# Altium PCB IMX6 DEV BOARD.PcbDoc (part 7 of 12)
Units mm, origin at the board's own origin, x right, y up, seen from the top; angles counter-clockwise.
Board outline 72.05 x 100.23 mm, 8 copper layers (Top Layer, GND 1, Inner 2, PWR 1, PWR 2, Inner 5, GND2, Bottom Layer), stack 1.463 mm thick; 691 components, 568 nets, 3028 pads, 1624 vias.
Unrouted connection lines stored in the file: 1.
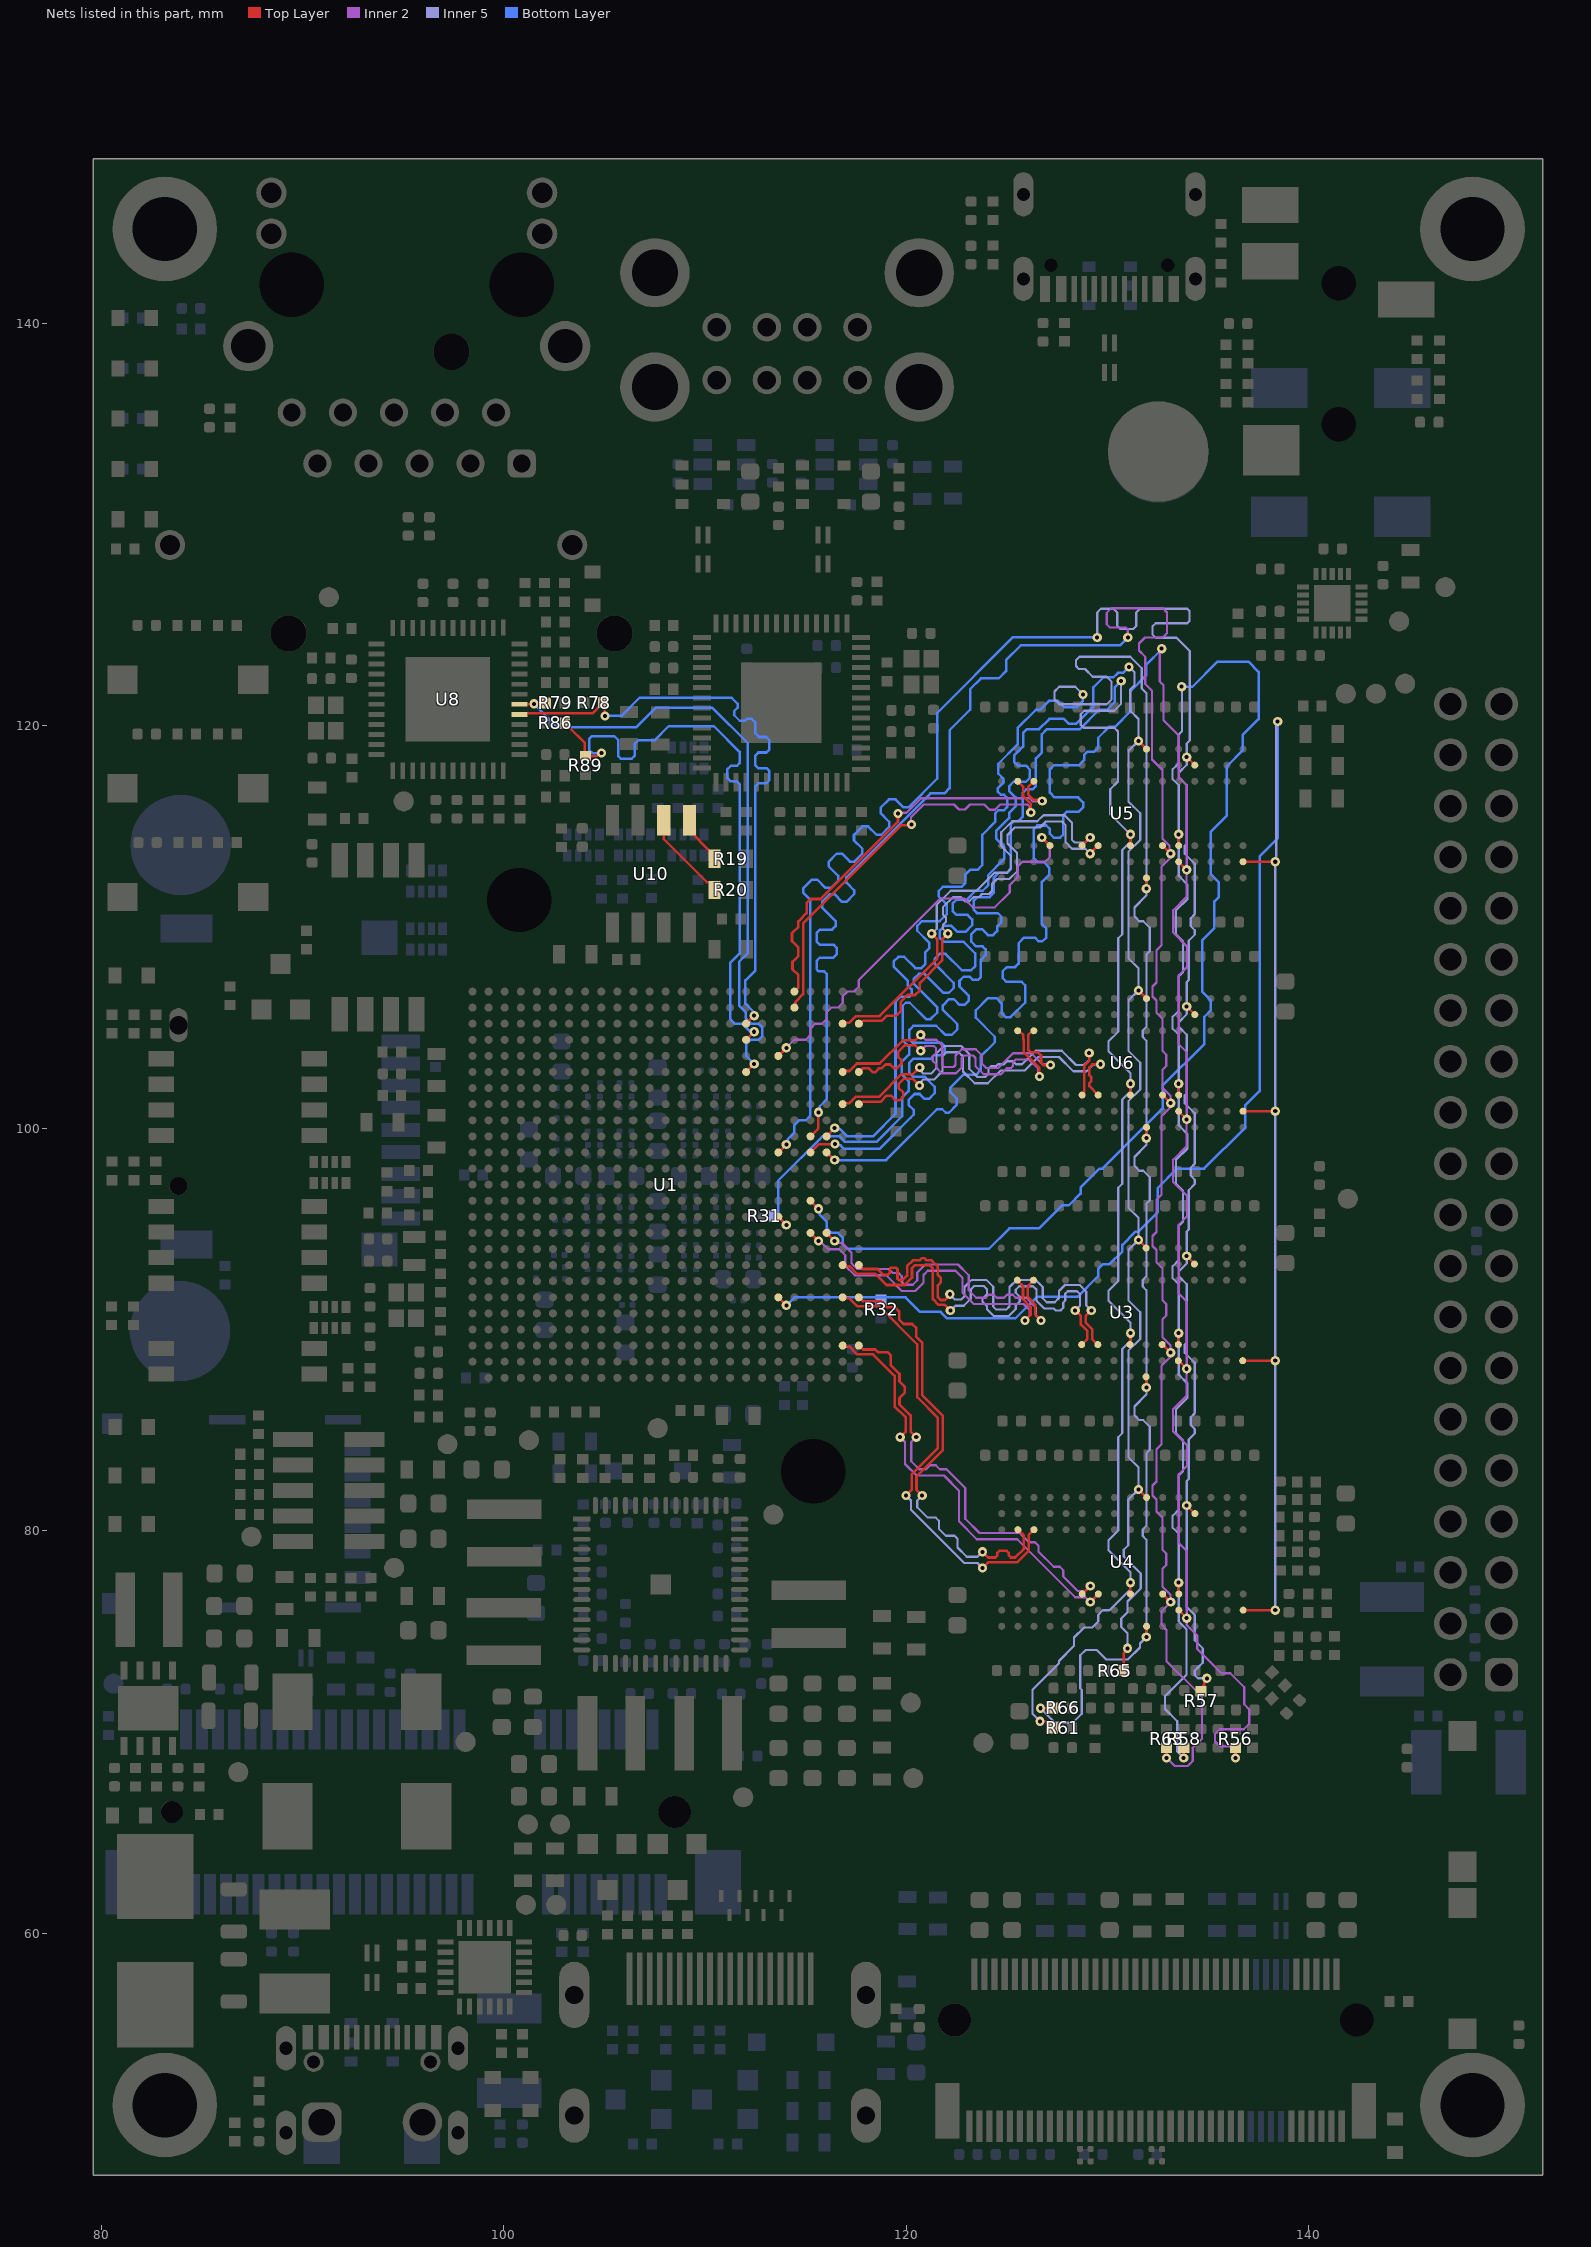
[diagram p13: the nets of this part, all layers, seen from the top]

## Via types
v1: diameter 0.46, hole 0.2, Top Layer to Bottom Layer, tented both sides, 1586 vias
v2: diameter 0.7, hole 0.4, Top Layer to Bottom Layer, 32 vias
v3: diameter 0.46, hole 0.2, Top Layer to Bottom Layer, tented bottom, 6 vias

## Nets (pads, with @x,y where several pads share a name; then routed paths per layer and width w, separated by ;. In a path a pad name is that pad's centre, name@x,y a point inside that pad or via, vN(x,y) a via of type N, cw(c..) or ccw(c..) an arc to the next point about the centre after c; other vN are vias at no path point) (continued)
DRAM_DQM7: U1.Y21 U5.D3 | length 20.9
  Top Layer w0.125: U1.Y21@113.644,103.6 v1(114.044,104) ; v1(126.744,114.45) U5.D3@127.144,114.05
  Inner 2 w0.11: v1(114.044,104) 114.441,104.398 114.816,104.398 114.821,104.403 115.009,104.403 115.241,104.635 115.241,104.786 115.246,104.791 115.246,104.964 115.483,105.201 115.808,105.201 116.045,105.439 116.045,105.763 116.282,106 116.606,106 116.843,106.237 116.843,106.561 117.08,106.798 117.404,106.798 117.646,107.04 117.646,107.378 121.694,111.425 122.869,111.425 123.312,110.982 124.403,110.982 125.141,111.72 125.141,111.722 125.146,111.728 125.146,112.095 125.546,112.495 125.546,113.015 125.779,113.247 126.901,113.247 127.134,113.481 127.134,114.061 v1@126.745,114.45
DRAM_DQS0_N: U1.AD3 U4.G3 | length 21.5
  Top Layer w0.13: U1.AD3@116.844,89.2 116.896,89.148 117.179,89.148 117.563,88.765 118.36,88.765 119.425,87.7 119.425,86.186 119.98,85.631 119.98,84.93 v1(119.7,84.65) ; v1(129.15,76.45) U4.G3@129.55,76.85
  Inner 2 w0.11: v1(119.7,84.65) 119.945,84.405 119.945,83.317 120.522,82.74 121.875,82.74 122.625,81.99 122.625,80.464 123.512,79.577 125.52,79.577 128.402,76.695 128.905,76.695 v1(129.15,76.45)
DRAM_DQS0_P: U1.AE3 U4.F3 | length 21.5
  Top Layer w0.13: U1.AE3@117.644,89.2 117.66,89.2 117.855,89.005 118.459,89.005 118.589,88.875 119.069,88.875 119.241,88.702 119.241,88.223 119.665,87.799 119.665,87.421 119.927,87.159 119.927,86.852 119.665,86.59 119.665,86.285 120.22,85.73 120.22,84.93 v1(120.5,84.65) ; U4.F3@128.75,76.85 v1(129.15,77.25)
  Inner 2 w0.11: v1(120.5,84.65) 120.255,84.405 120.255,83.445 120.65,83.05 120.988,83.05 121.188,83.25 121.475,83.25 121.675,83.05 122.003,83.05 122.935,82.118 122.935,80.592 123.641,79.887 125.648,79.887 126.109,79.426 126.399,79.426 126.575,79.25 126.575,78.96 127.331,78.204 127.634,78.204 127.81,78.029 127.81,77.725 128.53,77.005 128.905,77.005 v1(129.15,77.25)
DRAM_DQS1_N: U1.AE6 U4.B7 | length 22.6
  Top Layer w0.13: U1.AE6@117.644,91.6 117.66,91.6 117.855,91.405 118.737,91.405 119.026,91.116 119.44,91.116 119.65,90.906 119.65,90.492 119.867,90.275 120.3,90.275 120.505,90.07 120.505,89.637 120.79,89.352 120.79,86.735 121.818,85.707 121.818,84.004 120.514,82.7 120.514,82.03 v1(120.794,81.75) ; v1(123.794,78.95) 124.074,78.67 124.431,78.67 124.525,78.764 124.525,78.891 124.632,78.998 124.993,78.998 125.1,78.891 125.1,78.775 125.205,78.67 125.419,78.67 125.85,79.101 125.85,79.75 U4.B7@125.55,80.05
  Inner 5 w0.11: v1(120.794,81.75) 120.549,81.505 120.549,81.17 121.069,80.65 121.469,80.65 121.625,80.494 121.625,80.094 121.972,79.747 122.398,79.747 122.55,79.595 122.55,79.169 123.014,78.705 123.549,78.705 v1(123.794,78.95)
DRAM_DQS1_P: U1.AD6 U4.C7 | length 22.6
  Top Layer w0.13: U1.AD6@116.844,91.6 116.896,91.548 117.179,91.548 117.563,91.165 118.638,91.165 120.55,89.253 120.55,86.636 121.578,85.608 121.578,84.103 120.274,82.799 120.274,82.03 v1(119.994,81.75) ; v1(123.794,78.15) 124.074,78.43 125.518,78.43 126.09,79.002 126.09,79.79 U4.C7@126.35,80.05
  Inner 5 w0.11: v1(119.994,81.75) 120.239,81.505 120.239,81.042 122.886,78.395 123.549,78.395 v1(123.794,78.15)
DRAM_DQS2_N: U1.AE8 U3.G3 | length 22.8
  Top Layer w0.13: U1.AE8@117.644,93.2 117.66,93.2 117.855,93.005 118.57,93.005 118.846,92.729 119.099,92.729 119.175,92.805 119.175,92.999 119.251,93.075 119.499,93.075 119.568,93.006 119.568,92.53 119.644,92.454 119.829,92.454 120.05,92.675 120.05,93.15 120.34,93.44 120.665,93.44 120.775,93.55 120.9,93.55 121.01,93.44 121.26,93.44 121.569,93.131 121.569,92.706 121.725,92.55 121.725,92.35 121.569,92.194 121.569,91.614 121.717,91.466 121.917,91.466 122.169,91.718 v1(122.169,91.753) ; v1(129.2,90.95) 128.92,90.67 128.92,90.344 129.245,90.019 129.245,89.53 U3.G3@129.525,89.25
  Inner 5 w0.11: v1(122.169,91.753) 122.169,91.727 122.407,91.489 122.733,91.489 122.9,91.656 122.9,92.115 123.253,92.468 123.98,92.468 124.323,92.124 124.323,91.137 124.473,90.988 124.978,90.988 125.134,91.143 125.134,92.109 125.489,92.464 126.436,92.464 126.785,92.115 126.785,91.552 126.987,91.35 127.382,91.35 127.6,91.568 127.6,91.917 127.899,92.216 128.623,92.216 128.955,91.883 128.955,91.195 v1(129.2,90.95)
DRAM_DQS2_P: U1.AD8 U3.F3 | length 22.8
  Top Layer w0.13: U1.AD8@116.844,93.2 116.896,93.148 117.179,93.148 117.563,92.765 118.47,92.765 119.021,92.214 119.928,92.214 120.29,92.576 120.29,93.051 120.439,93.2 121.161,93.2 121.329,93.031 121.329,91.514 121.617,91.226 121.917,91.226 v1(122.194,90.95) ; v1(128.4,90.95) 128.68,90.67 128.68,90.245 129.005,89.92 129.005,89.53 U3.F3@128.725,89.25
  Inner 5 w0.11: v1(122.194,90.95) 122.221,90.95 122.45,91.179 122.861,91.179 123.21,91.528 123.21,91.987 123.381,92.158 123.851,92.158 124.013,91.996 124.013,91.749 123.798,91.534 123.798,91.377 124.013,91.162 124.013,91.009 124.344,90.678 125.107,90.678 125.444,91.015 125.444,91.188 125.65,91.395 125.65,91.625 125.444,91.831 125.444,91.98 125.617,92.154 126.308,92.154 126.475,91.986 126.475,91.423 126.858,91.04 127.341,91.04 127.434,90.947 127.67,90.947 127.803,91.08 127.803,91.332 127.91,91.439 127.91,91.788 128.027,91.906 128.494,91.906 128.645,91.755 128.645,91.195 v1(128.4,90.95)
DRAM_DQS3_N: U1.AB10 U3.B7 | length 17.3
  Top Layer w0.13: U1.AB10@115.244,94.8 v1(115.644,94.4) ; U3.B7@125.525,92.45 125.805,92.17 125.805,91.506 126.18,91.131 126.18,90.73 v1(125.9,90.45)
  Inner 2 w0.11: v1(115.644,94.4) 115.697,94.4 116.112,93.985 116.676,93.985 116.975,93.686 116.975,93.162 117.44,92.696 119.004,92.696 119.785,91.915 120.453,91.915 120.86,92.322 120.86,92.71 121.075,92.925 122.45,92.925 122.8,92.575 122.8,91.822 123.357,91.265 125.836,91.265 126.145,90.956 126.145,90.695 v1(125.9,90.45)
DRAM_DQS3_P: U1.AC10 U3.C7 | length 17.3
  Top Layer w0.13: U1.AC10@116.044,94.8 v1(116.444,94.4) ; U3.C7@126.325,92.45 126.045,92.17 126.045,91.605 126.42,91.23 126.42,90.73 v1(126.7,90.45)
  Inner 2 w0.11: v1(116.444,94.4) 116.539,94.4 116.644,94.295 116.804,94.295 117.285,93.814 117.285,93.29 117.569,93.006 119.132,93.006 119.326,92.812 119.615,92.812 119.78,92.647 119.78,92.358 119.913,92.225 120.325,92.225 120.55,92.45 120.55,92.838 120.947,93.235 122.578,93.235 123.11,92.703 123.11,91.95 123.485,91.575 123.95,91.575 124.1,91.725 124.35,91.725 124.5,91.575 124.866,91.575 125.016,91.725 125.3,91.725 125.45,91.575 125.964,91.575 126.455,91.084 126.455,90.695 v1(126.7,90.45)
DRAM_DQS4_N: U1.AE18 U6.G3 | length 19.1
  Top Layer w0.13: U1.AE18@117.644,101.2 117.717,101.2 117.842,101.325 118.739,101.325 119.034,101.619 119.249,101.619 119.479,101.39 119.672,101.39 119.856,101.573 119.856,101.769 119.627,101.998 119.627,102.213 119.869,102.455 120.335,102.455 120.662,102.129 v1(120.662,102.125) ; U6.G3@129.544,101.65 129.1,102.094 129.1,102.245 129.195,102.34 129.195,102.555 129.1,102.65 129.1,103.021 129.264,103.184 v1(129.66,103.184)
  Inner 5 w0.11: v1(120.662,102.125) 120.662,102.22 120.77,102.328 120.77,102.356 120.834,102.42 120.925,102.42 121.378,102.42 121.81,102.852 121.81,103.587 122.005,103.782 122.606,103.782 122.82,103.567 122.82,102.827 123.411,102.236 124.055,102.236 124.693,102.875 125.888,102.875 126.563,103.55 127.6,103.55 128.31,102.84 128.969,102.84 129.313,103.184 v1(129.66,103.184)
DRAM_DQS4_P: U1.AD18 U6.F3 | length 19.1
  Top Layer w0.13: U1.AD18@116.844,101.2 116.896,101.252 117.179,101.252 117.493,101.565 118.64,101.565 119.77,102.695 120.335,102.695 120.665,103.025 v1(120.669,103.025) ; U6.F3@128.744,101.65 128.744,101.71 128.86,101.826 128.86,103.12 129.094,103.354 v1(129.094,103.75)
  Inner 5 w0.11: v1(120.669,103.025) 120.669,102.93 120.777,102.822 120.777,102.794 120.841,102.73 121.054,102.73 121.25,102.73 121.5,102.98 121.5,103.715 121.876,104.092 122.734,104.092 123.13,103.696 123.13,102.956 123.54,102.546 123.926,102.546 124.086,102.706 124.086,102.952 124.217,103.083 124.463,103.083 124.565,103.185 124.864,103.185 125.013,103.335 125.311,103.335 125.461,103.185 125.76,103.185 126.435,103.86 127.728,103.86 128.438,103.15 128.84,103.15 129.094,103.404 v1(129.094,103.75)
DRAM_DQS5_N: U1.AE20 U6.B7 | length 16.9
  Top Layer w0.13: U1.AE20@117.644,102.8 117.674,102.8 117.855,102.981 118.14,102.981 118.339,102.782 118.447,102.782 118.646,102.981 118.781,102.981 118.975,103.175 119.2,103.175 119.383,102.992 119.542,102.992 119.766,103.216 119.766,103.384 119.6,103.55 119.6,103.8 119.93,104.13 120.439,104.13 v1(120.719,103.85) ; U6.B7@125.544,104.85 125.603,104.85 125.824,104.63 125.824,104.414 125.835,104.403 125.835,103.794 126.622,103.008 126.622,102.581 v1(126.628,102.575)
  Inner 2 w0.11: v1(120.719,103.85) 120.964,104.095 121.371,104.095 121.488,103.978 121.488,103.748 121.322,103.582 121.322,103.351 121.488,103.185 121.488,103.022 121.768,102.742 122.481,102.742 122.76,103.021 122.76,103.488 122.889,103.617 123.33,103.617 123.45,103.497 123.45,103.091 123.849,102.692 124.708,102.692 124.999,102.983 125.202,102.983 125.314,103.096 125.314,103.299 125.439,103.423 126.093,103.423 126.561,102.956 126.561,102.642 v1(126.628,102.575)
DRAM_DQS5_P: U1.AD20 U6.C7 | length 16.9
  Top Layer w0.13: U1.AD20@116.844,102.8 116.896,102.852 117.179,102.852 117.549,103.221 118.682,103.221 119.831,104.37 120.439,104.37 v1(120.719,104.65) ; U6.C7@126.344,104.85 126.284,104.85 126.064,104.63 126.064,104.514 126.075,104.503 126.075,103.894 126.194,103.775 126.554,103.775 126.7,103.629 126.7,103.269 126.825,103.143 127.171,103.143 v1(127.177,103.15)
  Inner 2 w0.11: v1(120.719,104.65) 120.964,104.405 121.499,104.405 121.798,104.106 121.798,103.151 121.896,103.052 122.353,103.052 122.45,103.15 122.45,103.616 122.76,103.927 123.459,103.927 123.76,103.625 123.76,103.22 123.978,103.002 124.579,103.002 125.311,103.733 126.222,103.733 126.761,103.194 127.133,103.194 v1(127.177,103.15)
DRAM_DQS6_N: U1.AE23 U5.G3 | length 21.9
  Top Layer w0.13: U1.AE23@117.644,105.2 117.717,105.2 117.855,105.338 118.777,105.338 119.039,105.6 119.515,105.6 119.725,105.81 119.725,106.286 120.064,106.625 120.441,106.625 120.675,106.859 120.675,107.236 121.789,108.35 121.789,109.395 v1(122.069,109.675) ; v1(129.144,113.65) U5.G3@129.544,114.05
  Inner 5 w0.11: v1(122.069,109.675) 121.824,109.92 121.824,110.109 121.976,110.261 121.976,110.475 121.824,110.627 121.824,110.983 122.341,111.5 122.704,111.5 122.919,111.286 123.137,111.286 123.352,111.5 123.628,111.5 123.774,111.645 124.117,111.645 124.268,111.796 124.268,112.14 124.518,112.39 125.123,112.39 125.514,112.781 125.514,113.68 125.035,114.159 125.035,114.583 125.402,114.95 126.65,114.95 126.95,115.25 127.744,115.25 127.925,115.069 127.925,114.216 128.246,113.895 128.899,113.895 v1(129.144,113.65)
DRAM_DQS6_P: U1.AD23 U5.F3 | length 21.9
  Top Layer w0.13: U1.AD23@116.844,105.2 116.896,105.252 117.179,105.252 117.506,105.578 118.678,105.578 121.549,108.449 121.549,109.395 v1(121.269,109.675) ; U5.F3@128.744,114.05 v1(129.144,114.45)
  Inner 5 w0.11: v1(121.269,109.675) 121.514,109.92 121.514,111.111 122.213,111.81 123.5,111.81 124.39,112.7 124.994,112.7 125.204,112.91 125.204,113.552 124.725,114.031 124.725,114.712 125.273,115.26 126.522,115.26 126.822,115.56 127.873,115.56 128.235,115.198 128.235,114.345 128.375,114.205 128.899,114.205 v1(129.144,114.45)
DRAM_DQS7_N: U1.AA24 U5.B7 | length 20.9
  Top Layer w0.13: U1.AA24@114.444,106 114.496,106.052 114.496,106.282 114.879,106.665 114.879,110.19 119.758,115.069 120.238,115.069 v1(120.269,115.1) ; U5.B7@125.544,117.25 125.824,116.97 125.824,116.499 126.2,116.123 126.2,115.706 v1(126.194,115.7)
  Inner 2 w0.11: v1(120.269,115.1) 120.238,115.131 120.238,115.462 120.871,116.095 122.38,116.095 122.625,115.85 122.925,115.85 123.17,116.095 123.883,116.095 124.14,115.839 124.414,115.839 124.67,116.095 126.023,116.095 126.137,115.981 126.137,115.757 v1(126.194,115.7)
DRAM_DQS7_P: U1.AA25 U5.C7 | length 20.9
  Top Layer w0.13: U1.AA25@114.444,106.8 114.444,106.816 114.639,107.011 114.639,107.611 114.35,107.9 114.35,108.275 114.639,108.564 114.639,108.986 114.325,109.3 114.325,109.7 114.639,110.014 114.639,110.289 115.05,110.7 115.05,111.2 115.25,111.4 115.75,111.4 119.594,115.244 v1(119.594,115.65) ; U5.C7@126.344,117.25 126.064,116.97 126.064,116.598 126.333,116.329 126.696,116.329 v1(126.76,116.266)
  Inner 2 w0.11: v1(119.594,115.65) 119.625,115.681 120.018,115.681 120.742,116.405 126.151,116.405 126.307,116.25 126.744,116.25 v1(126.76,116.266)
DRAM_RAS_B: R61.1 U1.AB15 U3.J3 U4.J3 U5.J3 U6.J3 | length 111.1
  Top Layer w0.125: U1.AB15@115.244,98.8 115.66,99.216 v1(116.458,99.216) ; v1(126.65,70.525) 127.006,70.525 127.309,70.222 R61.1@127.309,70.201 ; U4.J3@131.144,76.85 v1(131.144,77.416) ; U3.J3@131.144,89.25 v1(131.144,89.816) ; U6.J3@131.144,101.65 v1(131.144,102.216) ; U5.J3@131.144,114.05 v1(131.144,114.616)
  Inner 5 w0.11: v1(126.65,70.525) 126.275,70.9 126.275,72.094 127.591,73.41 127.591,73.521 128.346,74.276 128.346,74.687 128.85,75.19 129.246,75.19 129.541,75.485 129.541,75.813 129.776,76.048 130.073,76.048 130.078,76.053 130.109,76.053 131.126,77.07 131.126,77.397 v1(131.144,77.416) 131.144,77.95 130.05,79.044 130.05,79.512 130.544,80.006 130.544,84.65 130.744,84.85 130.744,89.03 131.144,89.43 v1(131.144,89.816) 131.144,90.35 130.05,91.444 130.05,91.912 130.544,92.406 130.544,97.05 130.744,97.25 130.744,101.43 131.144,101.83 131.144,102.75 130.05,103.844 130.05,104.312 130.544,104.806 130.544,109.45 130.744,109.65 130.744,113.83 131.144,114.23 v1(131.144,114.616) 130.144,115.616 130.144,116.85 130.529,117.235 130.529,119.727 130.347,119.91 128.829,119.91 128.678,120.061 128.678,120.586 128.847,120.755 130.338,120.755 130.684,121.101 v1(130.684,122.24)
  Bottom Layer w0.125: v1(116.458,99.216) 116.52,99.154 116.738,99.154 116.917,98.976 118.67,98.976 120.219,100.525 120.377,100.683 120.377,100.912 120.122,101.167 120.122,101.411 120.417,101.706 120.663,101.706 120.911,101.458 121.133,101.458 121.421,101.746 121.421,102.057 120.903,102.575 120.34,102.575 120.144,102.771 120.144,103.25 120.346,103.453 121.214,103.453 121.397,103.636 121.74,103.636 121.919,103.815 121.919,104.08 121.749,104.25 120.342,104.25 120.158,104.434 120.158,104.895 120.362,105.1 121.494,105.1 121.948,104.646 122.264,104.646 122.545,104.926 122.545,105.174 121.827,105.892 121.827,106.113 122.134,106.42 122.365,106.42 122.655,106.131 122.9,106.131 123.107,106.338 123.107,106.596 122.65,107.054 122.65,107.331 122.861,107.542 123.152,107.542 123.314,107.38 123.566,107.38 123.717,107.531 123.717,108.312 123.719,108.314 123.719,108.375 123.952,108.608 123.952,108.895 123.802,109.044 123.469,109.044 123.24,109.273 123.24,109.658 123.486,109.904 123.759,109.904 124.063,109.6 124.319,109.6 124.519,109.8 124.519,110.024 124.736,110.242 124.736,110.515 124.552,110.7 123.517,110.7 123.363,110.855 123.363,111.323 123.536,111.497 124.142,111.497 124.346,111.702 124.346,112.452 124.594,112.7 125.021,112.7 125.193,112.872 125.193,115.099 125.369,115.275 125.581,115.275 125.796,115.49 125.796,116.679 125.967,116.85 126.276,116.85 126.444,117.018 126.444,118.388 126.741,118.685 126.741,119.589 126.977,119.824 128.604,119.824 129.584,120.804 129.972,120.804 130.371,121.203 130.371,121.935 130.676,122.24 v1(130.684,122.24)
DRAM_RESET_B: R32.2 U1.Y6 U3.T2 U4.T2 U5.T2 U6.T2 | length 100.5
  Top Layer w0.125: U1.Y6@113.644,91.6 v1(114.044,91.2) ; U4.T2@136.744,76.05 v1(138.344,76.05) ; U3.T2@136.744,88.45 v1(138.344,88.45) ; U6.T2@136.744,100.85 v1(138.344,100.85) ; U5.T2@136.744,113.25 v1(138.344,113.25)
  Inner 5 w0.11: v1(138.344,76.05) v1(138.344,88.45) v1(138.344,100.85) v1(138.344,113.25) 138.394,113.3 138.394,119.989 138.402,119.997 138.402,120.163 v1(138.464,120.225)
  Bottom Layer w0.125: v1(114.044,91.2) 114.441,91.598 118.65,91.598 119.971,91.598 120.694,90.875 121.707,90.875 122.029,90.553 125.421,90.553 126.494,91.625 128.52,91.625 129.544,92.649 129.544,93.012 129.781,93.249 130.105,93.249 130.742,93.886 130.742,94.21 131.379,94.848 131.516,94.848 132.494,95.825 132.494,97.02 133.468,97.994 134.813,97.994 136.844,100.025 136.844,101.125 137.568,101.849 137.568,113.512 138.464,114.408 v1(138.464,120.225)
DRAM_SDBA0: R56.1 U1.AC15 U3.M2 U4.M2 U5.M2 U6.M2 | length 112
  Top Layer w0.125: U1.AC15@116.044,98.8 116.055,98.8 116.434,98.421 v1(116.445,98.421) ; U4.M2@133.544,76.05 v1(133.944,75.65) ; U3.M2@133.544,88.45 v1(133.944,88.05) ; U6.M2@133.544,100.85 v1(133.944,100.45) ; U5.M2@133.544,113.25 v1(133.944,112.85) ; R56.1@136.342,69.207 136.367,69.182 v1(136.367,68.707)
  Inner 2 w0.11: v1(132.701,123.843) 132.701,123.756 132.601,123.655 132.601,122.206 132.786,122.021 132.786,120.282 133.547,119.521 133.547,118.615 133.544,118.612 133.544,117.45 133.944,117.05 v1(133.944,112.85) ; v1(133.944,88.05) 133.934,88.04 133.934,86.712 133.268,86.046 133.268,84.934 133.957,84.245 133.957,83.225 133.544,82.813 133.544,82.217 133.547,82.215 133.547,81.885 133.544,81.883 133.544,79.386 133.941,78.989 133.941,75.652 v1(133.944,75.65) 133.944,75.31 134.467,74.787 134.467,74.115 135.669,72.913 136.112,72.913 136.802,72.223 136.802,71.367 137.055,71.114 137.055,70.405 136.782,70.132 135.579,70.132 135.352,69.905 135.352,69.523 135.592,69.282 136.217,69.282 136.367,69.132 v1(136.367,68.707) ; v1(133.944,88.05) 133.943,88.051 133.943,91.388 133.545,91.785 133.545,94.282 133.548,94.284 133.548,94.613 133.545,94.616 133.545,95.211 133.958,95.624 133.958,96.643 133.269,97.333 133.269,98.445 133.935,99.111 133.935,100.439 v1(133.944,100.45) ; v1@133.946,100.448 v1(133.944,100.45) 133.944,103.786 133.546,104.184 133.546,106.68 133.549,106.683 133.549,107.012 133.546,107.015 133.546,107.61 133.959,108.023 133.959,109.042 133.27,109.731 133.27,110.844 133.936,111.51 133.936,112.838 v1@133.946,112.848
  Bottom Layer w0.125: v1(116.445,98.421) 119.001,98.421 121.53,100.95 121.794,100.95 121.969,100.775 122.119,100.775 122.519,101.175 122.519,101.469 122.194,101.794 122.194,102.025 122.844,102.675 123.487,102.675 123.701,102.889 123.701,103.571 124.403,104.273 124.403,104.553 123.458,105.499 123.458,105.864 124.069,106.475 124.481,106.475 124.744,106.212 124.744,105.725 124.946,105.523 125.192,105.523 125.919,106.25 125.919,107.1 125.744,107.275 124.996,107.275 124.8,107.471 124.8,107.812 125.004,108.016 125.412,108.016 125.588,108.191 125.588,109.199 125.863,109.475 126.393,109.475 126.568,109.3 126.772,109.3 126.966,109.493 126.966,109.923 126.744,110.145 126.744,112.25 127.119,112.625 127.119,112.95 126.844,113.225 126.544,113.225 126.344,113.425 126.344,114.879 126.517,115.052 126.96,115.052 127.144,114.868 127.144,114.642 127.336,114.45 127.648,114.45 127.812,114.614 127.812,115.566 127.97,115.725 128.564,115.725 128.794,115.955 128.794,116.2 128.541,116.453 127.779,116.453 127.379,116.452 127.146,116.685 127.146,117.837 127.357,118.047 128.59,118.047 128.844,118.301 128.844,118.566 129.003,118.725 129.357,118.725 129.546,118.915 129.546,119.415 130.082,119.95 130.369,119.95 131.138,120.719 131.138,121.719 131.944,122.526 131.944,123.055 132.701,123.812 v1(132.701,123.843)
DRAM_SDBA1: R57.1 U1.Y15 U3.N8 U4.N8 U5.N8 U6.N8 | length 111.1
  Top Layer w0.125: U1.Y15@113.644,98.8 v1(114.044,99.2) ; v1(133.944,81.25) U4.N8@134.344,80.85 ; v1(133.944,93.65) U3.N8@134.344,93.25 ; v1(133.944,106.05) U6.N8@134.344,105.65 ; v1(133.944,118.45) U5.N8@134.344,118.05 ; R57.1@134.594,72.132 134.615,72.132 134.806,72.324 134.806,72.436 134.945,72.575 v1(134.945,72.663)
  Inner 5 w0.11: v1(129.494,124.398) 129.494,125.642 129.678,125.826 130.305,125.826 130.486,125.644 130.486,124.979 130.641,124.825 131.294,124.825 131.434,124.965 131.434,125.643 131.62,125.829 133.966,125.829 134.081,125.714 134.081,125.222 133.968,125.109 132.402,125.109 132.237,124.945 132.237,124.561 132.411,124.386 133.434,124.386 134.094,123.726 134.094,119.275 133.944,119.125 v1(133.944,118.45) 133.944,118.077 133.557,117.69 133.557,117.437 133.944,117.05 133.944,114.15 133.844,114.05 133.844,113.65 134.344,113.15 134.344,110.65 134.332,110.638 134.332,110.627 134.144,110.439 134.144,110.05 134.343,109.85 134.343,109.628 134.044,109.329 134.044,107.372 133.944,107.272 v1(133.944,106.05) 133.944,105.677 133.557,105.29 133.557,105.037 133.944,104.65 133.944,101.75 133.844,101.65 133.844,101.25 134.344,100.75 134.344,98.25 134.332,98.238 134.332,98.227 134.144,98.039 134.144,97.65 134.343,97.45 134.343,97.228 134.044,96.929 134.044,94.972 133.944,94.872 v1(133.944,93.65) 133.944,93.277 133.557,92.89 133.557,92.637 133.944,92.25 133.944,89.35 133.844,89.25 133.844,88.85 134.344,88.35 134.344,85.85 134.332,85.838 134.332,85.827 134.144,85.639 134.144,85.25 134.343,85.05 134.343,84.828 134.044,84.529 134.044,82.572 133.944,82.472 v1(133.944,81.25) 133.944,76.212 134.344,75.812 134.344,74.55 134.744,74.15 134.744,73.438 134.509,73.203 134.346,73.04 134.346,72.819 134.503,72.663 v1(134.945,72.663)
  Bottom Layer w0.125: v1(114.044,99.2) 114.106,99.262 114.106,99.451 114.444,99.789 114.444,99.925 114.446,99.928 114.446,100.165 114.679,100.398 114.719,100.398 114.724,100.403 115.009,100.403 115.241,100.635 115.241,111.353 114.887,111.707 114.887,111.943 115.308,112.364 115.58,112.364 115.994,111.95 116.269,111.95 116.614,112.295 116.614,112.555 116.141,113.028 116.141,113.247 116.55,113.656 116.799,113.656 117.198,113.257 117.423,113.257 117.817,113.651 117.817,113.901 117.406,114.313 117.406,114.59 117.828,115.011 118.108,115.011 118.525,114.593 118.76,114.593 119.155,114.988 119.155,115.239 118.729,115.665 118.729,115.935 119.144,116.35 119.469,116.35 119.87,115.949 120.116,115.949 121.544,117.378 121.544,120.65 125.291,124.398 v1(129.494,124.398)
DRAM_SDBA2: R58.1 U1.AB12 U3.M3 U4.M3 U5.M3 U6.M3 | length 111.1
  Top Layer w0.125: U1.AB12@115.244,96.4 v1(115.644,96) ; U4.M3@133.544,76.85 v1(133.544,77.416) ; U3.M3@133.544,89.25 v1(133.544,89.816) ; U6.M3@133.544,101.65 v1(133.544,102.216) ; U5.M3@133.544,114.05 v1(133.544,114.616) ; v1(133.792,68.707) 133.792,69.207 R58.1@133.817,69.232
  Inner 5 w0.11: v1(133.694,121.95) 133.711,121.933 133.711,119.742 133.544,119.575 133.544,119.417 133.547,119.415 133.547,119.085 133.544,119.083 133.544,118.15 133.244,117.85 133.244,117.35 133.544,117.05 v1(133.544,114.616) 133.544,112.55 133.982,112.111 133.982,111.402 133.416,110.835 133.416,109.631 133.765,109.282 133.765,107.764 133.544,107.544 133.544,107.017 133.547,107.015 133.547,106.685 133.544,106.683 133.544,105.85 133.244,105.55 133.244,104.95 133.544,104.65 v1(133.544,102.216) 133.544,100.15 133.982,99.711 133.982,99.002 133.416,98.435 133.416,97.231 133.765,96.882 133.765,95.364 133.544,95.144 133.544,94.617 133.547,94.615 133.547,94.285 133.544,94.283 133.544,93.45 133.244,93.15 133.244,92.55 133.544,92.25 v1(133.544,89.816) 133.544,87.75 133.982,87.311 133.982,86.602 133.416,86.035 133.416,84.831 133.765,84.482 133.765,82.964 133.544,82.744 133.544,82.217 133.547,82.215 133.547,81.885 133.544,81.883 133.544,81.05 133.244,80.75 133.244,80.15 133.544,79.85 v1(133.544,77.416) 133.544,75.488 133.934,75.098 133.934,72.84 132.866,71.772 132.866,71.142 133.476,70.532 133.476,69.023 v1(133.792,68.707)
  Bottom Layer w0.125: v1(115.644,96) 115.692,95.952 115.692,95.714 116.041,95.365 116.041,95.04 116.282,94.8 116.606,94.8 116.843,94.563 116.843,94.239 117.079,94.003 124.106,94.003 125.131,95.028 126.609,95.028 127.75,96.169 128.082,96.169 128.669,96.756 128.669,97.048 129.615,97.994 129.762,97.994 132.748,100.98 132.748,101.084 132.746,101.085 132.746,101.415 132.75,101.419 132.75,102.129 134.819,104.197 134.819,105.547 135.144,105.872 135.144,106.354 134.705,106.792 134.705,109.337 135.319,109.95 135.319,111.282 135.544,111.507 135.544,112.225 135.141,112.628 135.141,113.147 135.146,113.153 135.146,114.753 135.941,115.548 135.941,117.997 136.725,118.781 136.725,119.552 137.516,120.344 137.516,121.361 137.519,121.364 137.519,122.687 137.012,123.194 135.473,123.194 134.229,121.95 v1@133.696,121.95
DRAM_SDCKE0: R31.2 R65.1 U1.Y11 U3.K9 U4.K9 U5.K9 U6.K9 | length 111.1
  Top Layer w0.125: U1.Y11@113.644,95.6 v1(114.044,95.2) ; R65.1@130.819,73.05 130.819,73.911 131.003,74.096 v1(131.003,74.152) ; v1(131.544,82.05) U4.K9@131.944,81.65 ; v1(131.544,94.45) U3.K9@131.944,94.05 ; v1(131.544,106.85) U6.K9@131.944,106.45 ; v1(131.544,119.25) U5.K9@131.944,118.85
  Inner 5 w0.11: v1(131.003,74.152) 131.003,74.896 130.691,75.208 130.691,75.634 131.003,75.947 131.003,76.478 131.656,77.131 131.656,77.876 130.819,78.714 130.819,79.05 131.04,79.271 131.04,81.546 v1(131.544,82.05) 131.544,83.15 131.044,83.65 131.044,88.941 131.633,89.53 131.633,90.861 131.044,91.45 131.044,93.95 v1(131.544,94.45) 131.544,95.55 131.044,96.05 131.044,101.341 131.633,101.93 131.633,103.261 131.044,103.85 131.044,106.35 v1(131.544,106.85) 131.544,107.95 131.044,108.45 131.044,113.741 131.633,114.33 131.633,115.661 131.044,116.25 131.044,118.75 v1(131.544,119.25) 131.544,120.35 131.138,120.756 131.138,121.819 131.344,122.025 131.344,122.675 131.083,122.936 v1(131.08,122.936)
  Bottom Layer w0.125: v1(114.044,95.2) 113.641,95.603 113.641,97.397 115.858,99.614 116.679,99.614 116.965,99.328 118.521,99.328 119.794,100.6 119.794,101.525 120.119,101.85 120.119,102.35 119.769,102.7 119.769,103.294 120.144,103.669 120.144,104.059 119.825,104.378 119.825,106.091 119.977,106.243 120.175,106.243 120.994,105.425 121.219,105.425 121.54,105.746 121.54,106.02 120.382,107.178 120.382,107.438 120.623,107.679 120.916,107.679 121.865,106.73 122.115,106.73 122.365,106.981 122.365,107.229 121.427,108.167 121.427,108.433 121.661,108.668 121.955,108.668 122.767,107.856 123.224,107.856 123.421,108.054 123.421,108.704 122.852,109.273 121.859,109.273 121.671,109.46 121.671,109.84 121.912,110.08 122.226,110.08 122.545,109.761 122.944,109.761 123.278,110.095 123.278,110.386 123.055,110.61 122.504,110.61 122.311,110.803 122.311,111.172 122.489,111.35 122.994,111.35 123.453,111.809 123.804,111.809 124.071,112.076 124.071,112.581 124.869,113.379 124.869,114 124.469,114.4 124.469,114.775 125.119,115.425 125.119,115.675 125.444,116 125.444,116.45 125.119,116.775 125.119,117 125.344,117.225 125.952,117.225 126.152,117.425 126.152,117.825 125.952,118.025 125.563,118.025 125.369,118.218 125.369,118.524 125.816,118.971 125.816,119.648 126.011,119.843 126.607,119.843 127.115,120.351 127.835,120.351 128.086,120.099 128.448,120.099 129.291,120.942 129.297,120.942 129.297,121.912 129.796,122.411 130.292,122.411 130.519,122.638 130.782,122.638 v1(131.08,122.936)
DRAM_SDODT0: R66.1 U1.AC16 U3.K1 U4.K1 U5.K1 U6.K1 | length 111.1
  Top Layer w0.125: U1.AC16@116.044,99.6 116.044,99.603 116.448,100.008 v1(116.448,100.011) ; v1(126.675,71.175) 127.259,71.175 R66.1@127.28,71.196 ; v1(131.938,74.713) 131.941,74.716 131.941,75.247 U4.K1@131.944,75.25 ; v1(131.938,87.113) 131.941,87.116 131.941,87.647 U3.K1@131.944,87.65 ; v1(131.938,99.513) 131.941,99.516 131.941,100.047 U6.K1@131.944,100.05 ; v1(131.938,111.913) 131.941,111.916 131.941,112.447 U5.K1@131.944,112.45
  Inner 5 w0.11: v1(126.675,71.175) 127.399,70.451 128.275,70.451 128.725,70.901 128.725,72.088 128.65,72.163 128.65,73.407 128.649,73.737 ; 128.65,73.738 128.65,73.806 128.919,74.075 129.469,74.075 129.944,73.6 131.019,73.6 131.618,74.199 131.618,74.393 v1(131.938,74.713) 131.938,79.556 131.759,79.735 131.759,80.065 131.938,80.244 131.938,80.282 131.941,80.285 131.941,82.215 131.938,82.218 131.938,83.844 132.111,84.017 132.111,85.167 131.782,85.496 131.583,85.496 131.344,85.735 131.344,86.176 131.938,86.771 v1(131.938,87.113) 131.938,91.956 131.759,92.135 131.759,92.465 131.938,92.644 131.938,92.682 131.941,92.685 131.941,94.615 131.938,94.618 131.938,96.244 132.111,96.417 132.111,97.567 131.782,97.896 131.583,97.896 131.344,98.135 131.344,98.576 131.938,99.171 131.938,104.356 131.759,104.535 131.759,104.865 131.938,105.044 131.938,105.082 131.941,105.085 131.941,107.015 131.938,107.018 131.938,108.644 132.111,108.817 132.111,109.967 131.782,110.296 131.583,110.296 131.344,110.535 131.344,110.976 131.938,111.571 131.938,117.304 131.944,117.309 131.944,121.625 131.711,121.858 131.711,122.866 131.138,123.44 128.613,123.44 128.436,123.263 128.436,122.978 128.579,122.835 128.888,122.835 129.278,122.445 129.963,122.445 130.211,122.197 130.211,121.323 129.963,121.075 127.612,121.075 127.369,121.317 127.369,121.714 127.602,121.948 128.407,121.948 v1(128.793,121.561)
  Bottom Layer w0.125: v1(116.448,100.011) 116.511,99.949 116.733,99.949 117.079,99.603 118.346,99.603 119.469,100.725 119.469,106.3 119.705,106.536 120.144,106.536 120.269,106.661 120.269,106.902 120.107,107.064 120.107,107.069 120.069,107.107 120.069,107.347 119.394,108.022 119.394,108.31 119.609,108.525 119.903,108.525 120.463,107.966 120.76,107.966 120.942,108.148 120.942,108.748 121.156,108.962 121.156,109.213 120.549,109.82 120.549,110.065 120.785,110.301 121.67,110.301 122.019,110.65 122.019,111.125 121.619,111.525 121.619,111.8 121.819,112 122.758,112 122.944,112.186 122.944,112.372 122.946,112.375 122.946,112.615 123.179,112.847 123.542,112.847 123.781,113.086 123.781,114.587 124.437,115.243 124.437,115.671 124.576,115.81 124.865,115.81 125.019,115.964 125.019,116.431 124.87,116.58 124.703,116.58 124.544,116.739 124.544,116.892 124.814,117.161 124.814,117.396 124.575,117.635 124.575,117.884 124.576,117.885 124.576,118.12 125.541,119.085 125.541,119.902 126.439,120.8 126.644,120.8 127.094,121.25 127.544,121.25 127.875,120.919 128.463,120.919 128.782,121.239 128.782,121.551 v1@128.786,121.554
DRAM_WE_B: R63.1 U1.AB16 U3.L3 U4.L3 U5.L3 U6.L3 | length 112
  Top Layer w0.125: U1.AB16@115.244,99.6 115.641,99.997 v1(115.641,100.797) ; U4.L3@132.744,76.85 v1(133.144,76.45) ; U3.L3@132.744,89.25 v1(133.144,88.85) ; U6.L3@132.744,101.65 v1(133.144,101.25) ; U5.L3@132.744,114.05 v1(133.144,113.65) ; v1(132.942,68.707) R63.1@132.942,69.232
  Inner 2 w0.11: v1(131.019,124.398) 131.009,124.408 131.009,124.81 130.919,124.9 130.119,124.9 129.969,125.05 129.969,125.62 130.199,125.85 132.76,125.85 132.969,125.641 132.969,124.612 132.757,124.4 131.871,124.4 131.569,124.098 131.569,123.75 131.886,123.433 131.886,122.083 132.216,121.752 132.216,118.337 132.316,118.238 132.744,117.81 132.744,114.394 133.082,114.056 133.082,113.712 v1(133.144,113.65) 133.082,113.588 133.082,113.388 132.695,113.001 132.695,109.101 132.444,108.85 132.444,107.25 132.244,107.05 132.244,106.55 132.444,106.35 132.444,105.75 132.744,105.45 132.744,103.85 132.931,103.663 132.931,103.094 132.744,102.907 132.744,102.008 133.144,101.608 v1(133.144,101.25) 133.082,101.188 133.082,100.988 132.695,100.601 132.695,96.701 132.444,96.45 132.444,94.85 132.244,94.65 132.244,94.15 132.444,93.95 132.444,93.35 132.744,93.05 132.744,91.45 132.931,91.263 132.931,90.694 132.744,90.507 132.744,89.608 133.144,89.208 v1(133.144,88.85) 133.082,88.788 133.082,88.588 132.695,88.201 132.695,84.301 132.444,84.05 132.444,82.45 132.244,82.25 132.244,81.75 132.444,81.55 132.444,80.95 132.744,80.65 132.744,79.05 132.931,78.863 132.931,78.294 132.744,78.107 132.744,77.208 133.144,76.808 v1(133.144,76.45) 132.697,76.003 132.697,75.308 132.944,75.061 132.944,73.513 134.709,71.748 134.709,69.674 134.245,69.21 134.245,68.553 133.999,68.307 133.342,68.307 v1(132.942,68.707)
  Bottom Layer w0.125: v1(115.641,100.797) 115.703,100.859 115.703,101.097 116.041,101.435 116.041,107.682 115.919,107.804 115.645,107.804 115.544,107.906 115.544,108.325 115.705,108.486 116.386,108.486 116.544,108.644 116.544,108.975 116.39,109.129 115.697,109.129 115.544,109.282 115.544,109.704 115.715,109.875 116.32,109.875 116.494,110.049 116.494,110.3 115.822,110.972 115.822,111.253 116.206,111.637 116.44,111.637 116.817,111.26 117.029,111.26 117.419,111.65 117.419,111.825 117.03,112.214 117.03,112.475 117.354,112.799 121.205,116.65 121.894,116.65 122.16,116.916 122.16,119.785 123.183,120.808 123.183,121.835 123.711,122.363 124.6,122.363 124.962,122.725 124.962,123.269 125.693,124 130.621,124 v1(131.019,124.398)
EEPROM_I2C_SCL: R20.2 U10.6 | length 4.6
  Top Layer w0.125: U10.6@107.95,115.366 U10.6@107.95,115.316 107.95,114.375 110.092,112.233 110.237,112.233 110.475,111.995 R20.2@110.475,111.85
EEPROM_I2C_SDA: R19.2 U10.5 | length 2.5
  Top Layer w0.125: U10.5@109.22,115.366 109.22,114.795 110.227,113.788 110.237,113.788 110.475,113.55 R19.2@110.475,113.4
ENET_MDC: R79.1 U1.V20 U8.42 | length 31.7
  Top Layer w0.125: U8.42@100.776,121.076 100.788,121.088 101.488,121.088 v1(101.5,121.1) 102.049,121.1 R79.1@102.099,121.15 ; U1.V20@112.044,102.8 v1(112.444,103.2)
  Bottom Layer w0.125: v1(101.5,121.1) 102.673,119.927 106.577,119.927 107.55,120.9 110.37,120.9 112.13,119.14 112.13,108.71 111.698,108.279 111.698,106.101 112.036,105.763 112.036,105.452 112.281,105.208 112.654,105.208 112.851,105.011 112.851,104.578 112.673,104.4 112.262,104.4 112.051,104.189 112.051,103.593 v1(112.444,103.2)
ENET_MDIO: R78.1 U1.V23 U8.41 | length 31.7
  Top Layer w0.125: U8.41@100.776,120.576 100.833,120.633 101.183,120.633 101.186,120.636 104.423,120.636 104.925,121.138 R78.1@104.925,121.159 105.025,121.059 v1(105.025,120.5) ; U1.V23@112.044,105.2 v1(112.444,105.6)
  Bottom Layer w0.125: v1(105.025,120.5) 105.85,120.5 106.75,121.4 111.326,121.4 111.628,121.097 111.628,120.909 111.455,120.736 111.455,120.532 111.729,120.258 111.986,120.258 112.079,120.352 112.323,120.352 112.5,120.175 112.5,119.636 112.686,119.451 113.038,119.451 113.2,119.288 113.2,118.828 113.052,118.68 112.654,118.68 112.5,118.526 112.5,118.044 112.636,117.908 113.052,117.908 113.2,117.759 113.2,117.299 113.053,117.152 112.657,117.152 112.5,116.995 112.5,107.85 112.003,107.353 112.003,106.198 112.38,105.821 112.38,105.664 v1(112.444,105.6)
ENET_REF_CLK: R86.1 R89.2 U1.V22 | length 30.5
  Top Layer w0.125: R86.1@103.025,120.149 103.025,120.128 103.216,119.937 103.237,119.937 104.029,119.145 104.029,118.5 104.609,118.5 104.759,118.65 v1(104.85,118.65) ; U1.V22@112.044,104.4 v1(112.444,104.8)
  Bottom Layer w0.125: v1(104.85,118.65) 104.407,118.65 104.245,118.812 104.245,119.353 104.391,119.5 105.489,119.5 105.7,119.289 105.7,118.485 105.811,118.374 106.36,118.374 106.5,118.515 106.5,119.093 106.707,119.3 107.505,119.3 108.191,119.986 110.442,119.986 111.721,118.706 111.721,118.151 111.591,118.022 111.284,118.022 111.114,117.852 111.114,117.406 111.259,117.262 111.57,117.262 111.721,117.111 111.721,108.69 111.25,108.219 111.25,105.439 111.496,105.193 111.858,105.193 112.186,104.864 112.38,104.864 v1(112.444,104.8)